# Altium PCB PFC_Interleaved_V8.1.PcbDoc (part 2 of 3)
Units mm, origin at the board's own origin, x right, y up, seen from the top; angles counter-clockwise.
Board outline 258.26 x 148.72 mm, 4 copper layers (Top Layer, Signal Layer 1, Signal Layer 2, Bottom Layer), stack 0.809 mm thick; 261 components, 132 nets, 672 pads, 435 vias.
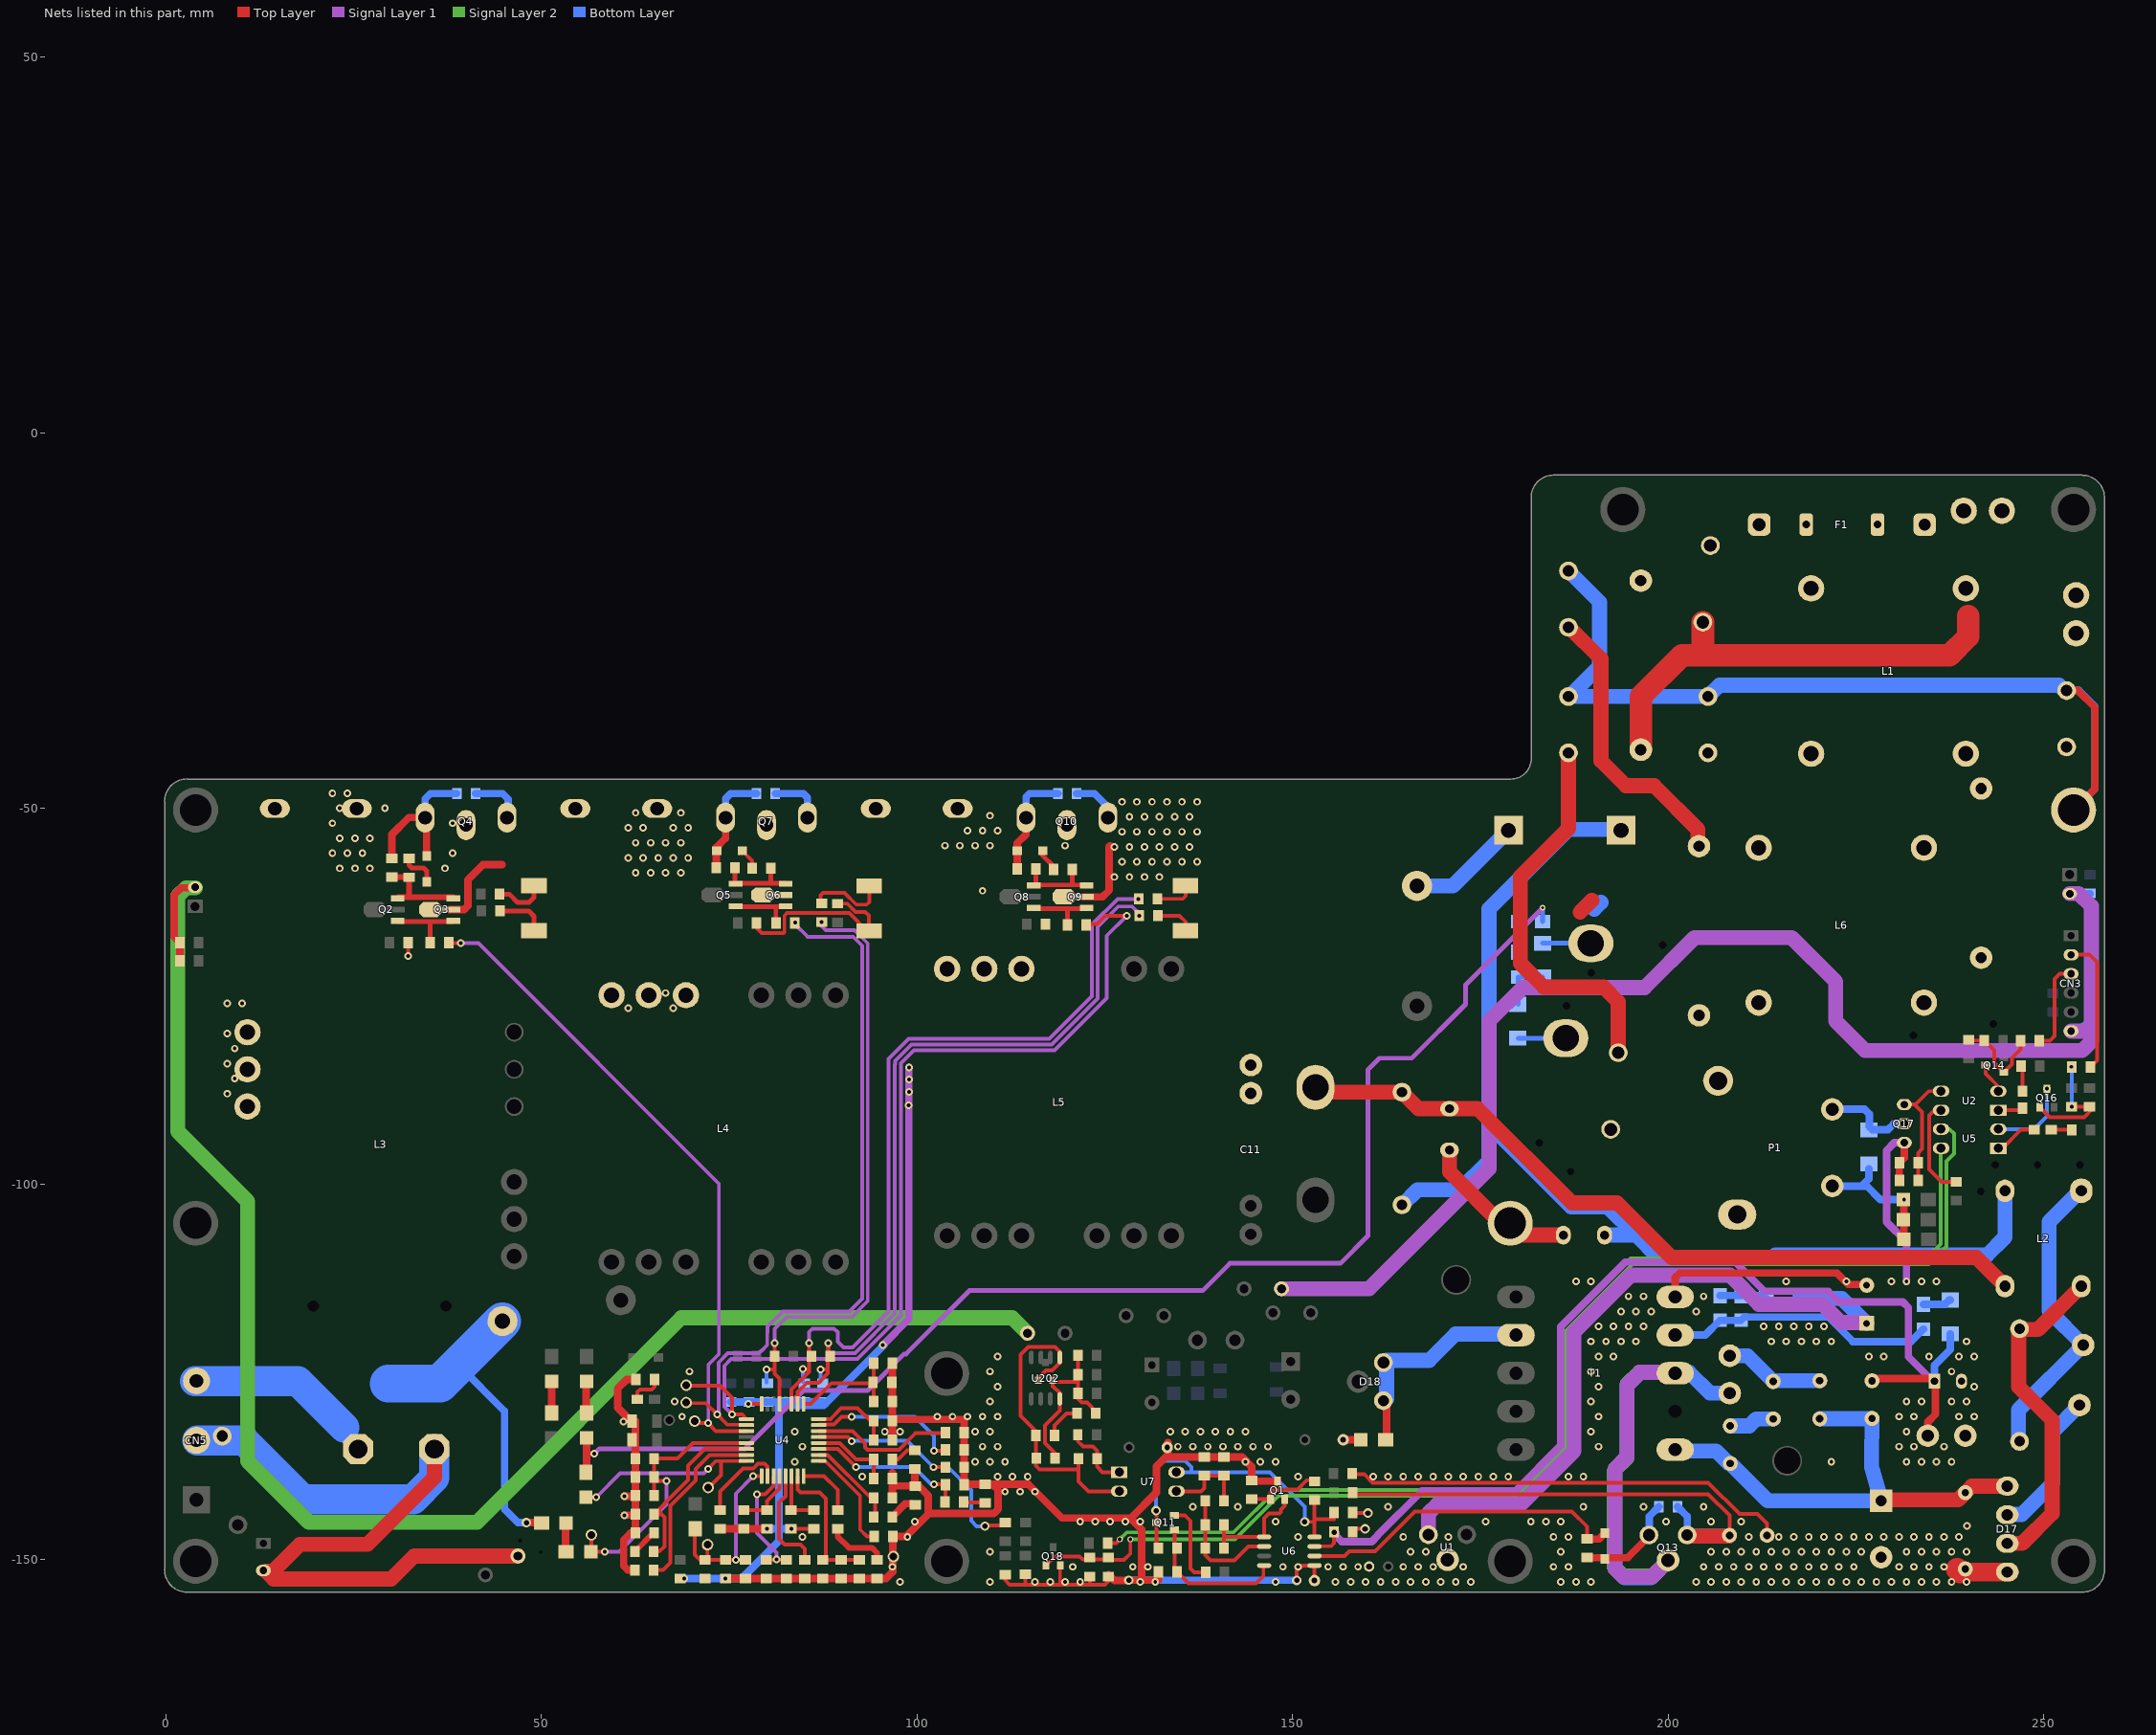
[diagram p4: the nets of this part, all layers, seen from the top]

## Via types
v1: diameter 1, hole 0.5, Top Layer to Bottom Layer, tented both sides, 348 vias
v2: diameter 1.016, hole 0.508, Top Layer to Bottom Layer, tented both sides, 58 vias
v3: diameter 1, hole 0.5, Top Layer to Bottom Layer, 12 vias
v4: diameter 1.27, hole 0.711, Top Layer to Bottom Layer, tented both sides, 10 vias
v5: diameter 0.8, hole 0.5, Top Layer to Bottom Layer, 2 vias
v6: diameter 1.27, hole 0.711, Top Layer to Bottom Layer, 2 vias
v7: diameter 0.762, hole 0.406, Top Layer to Bottom Layer, 1 vias
v8: diameter 2, hole 1, Top Layer to Bottom Layer, 1 vias
v9: diameter 1.2, hole 0.7, Top Layer to Bottom Layer, 1 vias

## Nets (pads, with @x,y where several pads share a name; then routed paths per layer and width w, separated by ;. In a path a pad name is that pad's centre, name@x,y a point inside that pad or via, vN(x,y) a via of type N, cw(c..) or ccw(c..) an arc to the next point about the centre after c; other vN are vias at no path point) (continued)
CS2_P: C21.2 C57.1 R28.1 U4.21 | length 82.2
  Top Layer w0.5: v2(79.965,-124.643) 81.032,-124.643 ; v2(81.082,-121.158) 81.082,-125.253 81.713,-125.883 U4.21@81.713,-129.249
  Signal Layer 1 w0.5: v2(81.082,-121.158) 81.082,-119.273 82.66,-117.696 91.321,-117.696 93.446,-115.57 93.446,-67.951 91.688,-66.192 87.859,-66.192 87.325,-65.659 v2(87.325,-65.126)
  Bottom Layer w0.5: C57.1@79.965,-126.391 v2(79.965,-124.643)
CS3_N: C6.1 C60.1 R39.1 U4.18 | length 106.3
  Top Layer w0.508: U4.18@84.113,-129.249 84.113,-127.672 85.357,-126.428 86.907,-126.428 88.151,-125.184 C6.1@88.151,-122.9 ; v2(87.204,-124.643) 88.094,-124.643 ; C6.1@88.189,-122.862 v2(88.189,-121.158)
  Signal Layer 1 w0.508: v2(88.189,-121.158) 88.189,-122.225 88.468,-122.504 91.74,-122.504 97.079,-117.165 97.079,-84.074 97.108,-84.045 97.108,-83.608 99.305,-81.411 117.954,-81.411 124.079,-75.286 124.079,-65.735 126.771,-63.043 128.651,-63.043 129.591,-63.983 v2(129.591,-64.262)
  Bottom Layer w0.508: C60.1@87.204,-126.269 v2(87.204,-124.643)
CS3_P: C6.2 C59.1 R38.1 U4.19 | length 109
  Top Layer w0.508: U4.19@83.313,-129.249 83.313,-127.329 85.662,-124.981 85.662,-124.643 ; v2@84.791,-124.643 85.662,-124.643 ; v2(85.662,-121.158) 85.662,-124.643
  Signal Layer 1 w0.508: v2(85.662,-121.158) 85.662,-119.672 86.106,-119.228 88.976,-119.228 89.471,-119.723 89.471,-120.968 90.246,-121.742 91.424,-121.742 96.215,-116.951 96.215,-83.337 98.904,-80.649 117.638,-80.649 123.317,-74.97 123.317,-65.42 126.71,-62.027 v2(129.489,-62.027)
  Bottom Layer w0.508: C59.1@84.791,-126.31 v2(84.791,-124.593) ; v2(129.489,-62.027) v2@129.54,-62.027
CVM1: R9.1 R65.2 U4.13 | length 33.3
  Top Layer w0.508: U4.13@86.928,-133.664 90.789,-133.664 v2(91.338,-134.214) ; v2(102.182,-137.695) R65.2@103.784,-137.693 ; v9(109.042,-145.542) 109.128,-145.456 R9.1@111.252,-145.456
  Bottom Layer w0.508: v2(91.338,-134.214) 91.364,-134.188 98.676,-134.188 v2(102.182,-137.695) 104.167,-137.695 107.213,-140.741 107.213,-144.805 107.95,-145.542 v9(109.042,-145.542)
CVM2: R66.2 U4.14 | length 19.1
  Top Layer w0.508: U4.14@86.928,-132.864 91.462,-132.864 93.116,-134.518 93.116,-135.036 93.432,-135.352 97.617,-135.352 99.797,-133.172 R66.2@103.81,-133.172
CVM3: R67.2 U4.15 | length 20.8
  Top Layer w0.5: U4.15@86.928,-132.064 86.97,-132.022 88.958,-132.022 89.992,-130.988 v2@91.034,-130.988 ; v2(102.26,-135.509) 103.657,-135.509 R67.2@103.784,-135.382 ; R67.2@103.468,-135.433 R67.2@103.784,-135.116
  Bottom Layer w0.5: v2@91.034,-130.988 99.72,-130.988 102.26,-133.528 v2(102.26,-135.509)
  other v2: 91.338,-130.988
"DC LINK": C13.1 C14.2 C26.2 D17.1 R1.1 R77.1 T1.1 | length 66.3
  Top Layer w2: C13.1@227.99,-142.037 238.608,-142.037 240.436,-140.208 D17.1@245.161,-140.208
  Bottom Layer w2: T1.1@200.939,-135.331 201.131,-135.523 206.401,-135.523 208.064,-137.185 R1.1@208.28,-137.185 213.258,-142.164 C13.1@228.371,-142.164 228.231,-141.664 227.07,-137.538 227.07,-137.249 227.078,-136.661 R77.1@227.152,-131.191 227.101,-131.242 C26.2@220.193,-131.242
Earth: C3.1 C4.1 C78.1 C79.1 pad.0@253.978,-50.203 | length 126.5
  Top Layer w1: C4.1@253.06,-34.299 254.574,-34.299 256.825,-36.551 256.825,-47.355 pad.0@253.978,-50.203
  Bottom Layer w1: C4.1@253.06,-34.299 254.695,-34.299 256.825,-36.43 256.825,-47.355 pad.0@253.978,-50.203
  Bottom Layer w2: C79.1@186.741,-35.087 C79.1@186.859,-35.087 ; C78.1@186.741,-18.373 190.881,-22.514 190.881,-31.064 C79.1@186.859,-35.087 ; C4.1@253.06,-34.299 252.765,-34.299 252.044,-33.579 206.816,-33.579 C3.1@205.308,-35.087 C79.1@186.859,-35.087
EARTH2: C19.1 C77.2 pad.@178.978,-105.203 | length 21.6
  Top Layer w2: C77.2@170.891,-95.46 170.891,-98.374 177.72,-105.203 pad.@178.978,-105.203 180.556,-106.782 C19.1@186.048,-106.782
GATE: D22.2 R50.2 U6.6 | length 43.9
  Top Layer w0.5: U6.6@152.931,-149.504 156.947,-149.504 157.556,-148.895 160.985,-148.895 166.294,-143.586 187.198,-143.586 189.205,-145.593 R50.2@189.205,-147.244
  Top Layer w1: R50.2@189.205,-147.244 190.805,-147.244 D22.2@191.567,-146.482
HV: C12.1 CN5.5 D4.2 D6.1 D8.1 D10.1 R10.2 R89.2 | length 67.6
  Top Layer w1: v6(48.006,-145.059) R10.2@49.149,-145.059
  Bottom Layer w1: 38.97,-124.086 45.11,-130.226 45.11,-143.281 46.888,-145.059 v6(48.006,-145.059)
  Bottom Layer w4: CN5.5@3.886,-126.233 17.572,-126.233 23.749,-132.41
  Bottom Layer w5: 29.642,-126.543 36.513,-126.543 D4.2@44.827,-118.229
IAC: R8.1 TP7.1 U4.32 | length 27.6
  Top Layer w0.5: v2(72.187,-137.897) 73.22,-136.864 73.914,-136.864 ; TP7.1@72.25,-140.424 73.914,-138.76 73.914,-136.864 ; U4.32@77.298,-136.864 73.914,-136.864
  Top Layer w0.635: R8.1@55.982,-141.656 v2(57.328,-141.656)
  Signal Layer 1 w0.5: v2(57.328,-141.656) 60.508,-138.476 71.607,-138.476 v2(72.187,-137.897)
IAC_A: D12.2 D14.2 R56A.1 | length 6.9
  Bottom Layer w0.635: D12.2@180.035,-76.069 180.035,-72.445 D14.2@183.286,-72.445
IEA1: C45.2 C46.2 U4.10 | length 12.5
  Top Layer w0.508: U4.10@86.928,-136.064 88.134,-136.064 93.639,-141.569 94.463,-141.569 C45.2@94.463,-144.249
IEA2: C47.2 C48.2 U4.11 | length 21
  Top Layer w0.508: U4.11@86.928,-135.264 89.457,-135.264 91.861,-137.668 v2(91.897,-137.668) ; v2(102.26,-139.979) 103.49,-139.979 103.784,-140.274 C47.2@103.784,-142.316
  Bottom Layer w0.508: v2(91.897,-137.668) 99.568,-137.668 101.879,-139.979 v2(102.26,-139.979)
IEA3: C49.2 C50.2 U4.12 | length 10
  Top Layer w0.508: U4.12@86.928,-134.464 89.734,-134.464 91.909,-136.638 C49.2@94.259,-136.638 94.259,-138.414
LINE: C5.2 C79.2 L6.2 NTC1.1 P1.2 | length 52.6
  Top Layer w2: C79.2@186.741,-42.587 186.741,-52.654 180.34,-59.055 180.34,-70.637 183.487,-73.784 191.4,-73.784 193.362,-75.746 NTC1.1@193.362,-82.505
LINE1: CN7.1 D12.1 NTC1.2 P1.3 | length 6.5
  Top Layer w2: CN7.1@186.629,-80.584 CN7.1@186.741,-80.696
  Bottom Layer w0.635: D12.1@180.035,-80.569 CN7.1@186.385,-80.569
NetC1_1: C1.1 CN2.1 L1.1 MOV1.2 | length 60.3
  Top Layer w3: C1.1@196.367,-42.172 196.367,-35.092 201.843,-29.616 237.439,-29.616 239.941,-27.114 239.941,-24.375 ; 204.63,-28.842 MOV1.2@204.63,-25.191
NetC1_2: C1.2 F1.2 L1.3 MOV1.1
NetC2_1: C2.1 C4.2 L1.2 L6.3
NetC2_2: C2.2 C3.2 L1.4 L6.1
NetC10_2: C10.2 Q17.3 R48.2 U2.3 | length 16.4
  Top Layer w0.5: Q17.3@231.445,-89.408 232.945,-89.408 234.723,-87.63 U2.3@236.347,-87.63 ; 232.788,-89.408 233.807,-90.427 233.807,-95.326 233.274,-95.86 R48.2@233.274,-97.155 C10.2@233.274,-99.517
NetC17_2: C17.2 C53.2 CN6.2 J1.2 | length 213.6
  Top Layer w1: C53.2@1.88,-70.282 1.905,-70.256 C17.2@1.905,-67.843 1.105,-67.043 1.105,-61.519 2.07,-60.554 CN6.2@3.937,-60.554
  Signal Layer 2 w2: CN6.2@3.937,-60.554 2.702,-60.554 1.605,-61.651 1.605,-92.994 10.897,-102.286 10.897,-136.868 19.037,-145.009 41.427,-145.009 68.637,-117.799 112.682,-117.799 J1.2@114.721,-119.837
  Bottom Layer w1: CN6.2@3.861,-60.63 CN6.2@3.937,-60.554
NetC19_2: C19.2 C75.2 F3.2 L2.1 | length 157
  Bottom Layer w2: C75.2@164.567,-102.757 164.64,-102.757 166.635,-100.762 172.288,-100.762 176.149,-96.901 176.149,-92.076 ; C19.2@191.548,-106.782 195.707,-106.782 ; F3.2@193.751,-52.807 186.69,-52.807 176.149,-63.348 176.149,-92.076 ; L2.1@244.85,-100.888 244.85,-107.067 242.469,-109.448 214.283,-109.448 214.003,-109.728 198.653,-109.728 195.707,-106.782 ; 176.149,-92.076 187.105,-103.032 191.957,-103.032 195.707,-106.782
NetC23_1: C23.1 Q18.1 R93.1 U5.3 | length 165.5
  Top Layer w0.5: Q18.1@117.16,-150.759 118.364,-149.555 121.634,-149.555 122.056,-149.978 125.501,-149.978 125.562,-150.038 127.584,-150.038 128.422,-149.2 v5(128.422,-147.269)
  Signal Layer 2 w0.5: v5(128.422,-147.269) 142.316,-147.269 148.12,-141.465 179.975,-141.465 186.346,-135.093 186.346,-119.599 195.293,-110.653 234.685,-110.653 237.05,-108.288 237.05,-96.96 238.074,-95.936 238.074,-93.294 237.465,-92.685 U5.3@236.347,-92.685
NetC24_1: C24.1 Q14.1 R43.2 R49.1 | length 12.6
  Top Layer w0.5: C24.1@240.005,-80.797 240.081,-80.874 R49.1@242.113,-80.874 243.408,-82.169 243.408,-83.827 Q14.1@244.707,-85.126 245.796,-84.037 245.796,-83.21 246.939,-82.067 R43.2@246.939,-80.899
NetC26_1: C26.1 D20.2 R4.1 | length 13.4
  Bottom Layer w2: D20.2@208.204,-122.838 210.57,-122.838 R4.1@213.995,-126.263 214.097,-126.162 C26.1@220.193,-126.162
NetC27_2: C27.2 R16.1 | length 2.2
  Top Layer w1: C27.2@156.743,-134.036 R16.1@158.953,-134.036
NetC28_2: C28.2 Q1.1 R2.1 | length 9.2
  Top Layer w0.5: C28.2@145.288,-141.91 145.32,-141.941 147.041,-141.941 147.041,-141.046 147.441,-140.645 150.667,-140.645 151.892,-139.421 R2.1@152.931,-139.421
NetC29_1: C29.1 R36.2 R37.1 U6.2 | length 16.1
  Top Layer w0.5: R37.1@138.367,-142.164 R36.2@138.367,-145.364 C29.1@138.367,-148.463 138.367,-149.365 139.09,-150.089 142.291,-150.089 144.145,-148.234 U6.2@146.231,-148.234
NetC29_2: C29.2 Q1.2 R36.1 U6.1 | length 15.5
  Top Layer w0.5: C29.2@140.856,-148.463 140.856,-146.99 ; R36.1@140.856,-145.364 140.856,-146.99 ; Q1.2@148.981,-141.941 148.981,-142.822 148.446,-143.358 148.446,-143.654 148.234,-143.866 146.837,-143.866 146.231,-144.472 U6.1@146.231,-146.964 140.881,-146.964 140.856,-146.99
NetC36_2: C36.2 R53.1 | length 3.6
  Top Layer w0.762: R53.1@62.484,-148.905 62.484,-148.868 64.927,-146.425 C36.2@65.024,-146.425
NetC37_2: C37.2 U4.31 | length 24.1
  Top Layer w0.508: C37.2@64.922,-151.384 66.218,-151.384 67.183,-150.419 67.183,-142.824 70.561,-139.446 70.561,-137.897 72.394,-136.064 U4.31@77.298,-136.064
NetC44_2: C44.2 U4.9 | length 14.1
  Top Layer w0.5: U4.9@86.928,-136.864 87.816,-136.864 92.431,-141.478 92.431,-145.974 93.345,-146.888 C44.2@94.285,-146.888
NetC45_1: C45.1 R62.2 | length 3.7
  Top Layer w1: C45.1@96.749,-144.249 98.453,-142.545 99.314,-142.545 R62.2@99.619,-142.85
NetC47_1: C47.1 R63.2 | length 2.6
  Top Layer w0.508: C47.1@106.379,-142.367 R63.2@109.017,-142.367
NetC49_1: C49.1 R64.2 | length 3.5
  Top Layer w0.5: C49.1@96.749,-136.638 97.518,-136.638 98.723,-135.433 R64.2@99.72,-135.433
NetC51_1: C51.1 Q16.1 R91.2 R92.1 | length 16
  Top Layer w0.5: Q16.1@249.494,-89.767 250.811,-91.084 255.422,-91.084 256.388,-90.119 255.956,-89.687 v3(253.721,-89.687)
  Bottom Layer w0.5: v3(253.67,-84.379) 253.721,-84.43 v3(253.721,-89.687)
NetC62_2: C62.2 R73.1 U4.6 | length 7.4
  Top Layer w0.508: U4.6@83.313,-138.879 83.313,-143.306 83.415,-143.408 C62.2@86.284,-143.408
NetC63_2: C63.2 R69.2 R69A.2 U4.17 | length 15.6
  Top Layer w0.508: U4.17@84.913,-129.249 85.864,-129.249 88.607,-126.505 R69A.2@94.259,-126.505 ; R69.2@94.259,-128.95 R69A.2@94.259,-126.505 ; C63.2@94.259,-123.825 R69A.2@94.259,-126.505
NetC64_2: C64.2 R58.1 U4.4 | length 8.3
  Top Layer w0.508: R58.1@76.962,-143.408 C64.2@80.035,-143.408 80.035,-142.215 81.713,-140.537 U4.4@81.713,-138.879
NetC67_2: C67.2 Q11.1 R46.2 U6.4 | length 19.7
  Top Layer w0.5: Q11.1@134.296,-145.984 134.296,-151.289 C67.2@134.62,-151.613 136.144,-153.137 145.161,-153.137 146.126,-152.171 146.126,-150.879 U6.4@146.231,-150.774
NetC68A_1: C68A.1 D215.2 U1.1 | length 96.4
  Signal Layer 1 w2: U1.1@168.097,-146.66 168.097,-143.815 169.291,-142.621 180.391,-142.621 187.477,-135.534 187.477,-119.71 195.057,-112.13 208.218,-112.13 212.09,-116.002 220.574,-116.002 223.012,-118.44 C68A.1@226.4,-118.44
  Bottom Layer w2: D215.2@217.591,-115.214 223.114,-115.214 C68A.1@226.441,-118.542
NetC70_1: C70.1 R85.2 R87.1 U7.2 U202.1 | length 42.4
  Top Layer w0.5: U202.1@116.185,-126.111 116.185,-125.801 117.17,-124.816 118.008,-124.816 119.024,-123.8 U202.1@119.024,-123.079 119.024,-122.326 118.364,-121.666 114.833,-121.666 113.792,-122.707 113.792,-130.861 115.824,-132.893 115.824,-137.49 116.319,-137.986 121.514,-137.986 ; R85.2@121.488,-136.119 121.514,-136.144 121.514,-137.986 ; U7.2@126.937,-140.894 122.86,-140.894 122.834,-140.919 121.514,-139.598 121.514,-137.986
NetC70_2: C70.2 C72.2 R76.2 R84.1 R88.2 U202.8 | length 24.4
  Top Layer w0.5: C70.2@118.364,-136.068 118.364,-135.814 117.043,-134.493 117.043,-132.105 119.024,-130.124 U202.8@119.024,-128.727 ; U202.8@119.024,-128.587 U202.8@119.024,-128.727 ; 121.437,-126.314 118.288,-126.314 U202.8@118.085,-126.111 118.085,-126.898 118.999,-127.813 118.999,-128.727 U202.8@119.024,-128.727 ; R84.1@121.437,-122.784 R76.2@121.437,-125.374 121.437,-128.575 121.945,-129.083 122.631,-129.083 123.825,-130.277 C72.2@123.825,-130.505
NetC72_1: C72.1 R87.2 | length 4.7
  Top Layer w0.5: R87.2@118.313,-133.096 118.313,-132.105 119.913,-130.505 C72.1@121.336,-130.505
NetC73_2: C73.2 C74.2 CN3.6 CN4.2 J2.2 | length 178.8
  Signal Layer 1 w2: J2.2@148.55,-113.919 160.198,-113.919 176.174,-97.942 176.174,-78.308 180.645,-73.838 196.85,-73.838 203.505,-67.183 216.459,-67.183 222.301,-73.025 222.301,-78.283 226.238,-82.22 255.132,-82.22 256.351,-81.001 256.351,-79.604 ; CN4.2@253.467,-61.341 254.674,-61.341 256.351,-63.017 256.351,-79.604 ; CN3.6@253.644,-79.629 256.325,-79.629 256.351,-79.604
  Bottom Layer w1: CN4.2@253.467,-61.341 253.492,-61.316 C73.2@256.159,-61.316 ; CN3.6@253.644,-79.629 254.711,-79.629 C74.2@256.337,-78.003
NetC76_1: C76.1 D17.3 L2.4 | length 44.7
  Top Layer w2: D17.3@245.161,-147.828 247.142,-147.828 251.121,-143.849 251.121,-131.437 246.685,-127.001 246.685,-119.355 246.691,-119.349 247.236,-119.349 247.242,-119.355 249.243,-119.355 L2.4@255.01,-113.588
NetC76_2: C76.2 L2.2 NTC2.1 | length 40
  Bottom Layer w2: C76.2@246.634,-133.618 246.634,-130.057 NTC2.1@255.266,-121.425 250.723,-116.883 250.723,-105.029 L2.2@254.937,-100.815
NetCN1_1: CN1.1 F1.1
NetD2_1: D2.1 P1.4 Q17.2 | length 12
  Bottom Layer w1.016: P1.4@221.864,-90.048 226.167,-90.048 226.797,-90.678 226.797,-92.38 227.152,-92.735 229.286,-92.735 230.073,-91.948 Q17.2@231.445,-91.948
NetD2_2: D2.2 P1.5 R3.1 R3A.1 R3B.1 | length 18.3
  Top Layer w1.016: R3B.1@231.369,-107.374 231.369,-102.133 v3(231.419,-102.083)
  Bottom Layer w1.016: P1.5@221.864,-100.248 225.786,-100.248 ; D2.2@226.746,-98.008 226.746,-99.289 225.786,-100.248 ; v3(231.419,-102.083) 228.28,-102.083 226.445,-100.248 225.786,-100.248
NetD3_2: D3.2 F3.1 | length 15.2
  Bottom Layer w2: D3.2@166.573,-60.301 171.359,-60.301 F3.1@178.751,-52.908
NetD6_3: D6.3 L3.1 Q4.2
  other v1: 8.181,-87.956 9.181,-85.956 8.181,-83.956 9.181,-81.956 8.181,-79.956 8.181,-75.956 10.181,-75.956 23.181,-57.956 25.181,-57.956 27.181,-57.956 37.181,-57.956 22.181,-55.956 24.181,-55.956 26.181,-55.956 38.181,-55.956 23.181,-53.956 25.181,-53.956 27.181,-53.956 22.181,-51.956 38.181,-51.956 23.181,-49.956 29.181,-49.956 22.181,-47.956 24.181,-47.956
NetD8_3: D8.3 L4.1 Q7.2
  other v1: 61.557,-76.566 67.557,-76.566 66.557,-74.566 62.557,-58.566 64.557,-58.566 66.557,-58.566 68.557,-58.566 61.557,-56.566 63.557,-56.566 65.557,-56.566 67.557,-56.566 69.557,-56.566 62.557,-54.566 64.557,-54.566 66.557,-54.566 68.557,-54.566 61.557,-52.566 63.557,-52.566 67.557,-52.566 69.557,-52.566 62.557,-50.566 68.557,-50.566
NetD9_1: D9.1 Q4.1 R12.1 R14.2 | length 20.7
  Top Layer w1: R12.1@30.099,-56.642 30.099,-53.467 32.363,-51.203 Q4.1@34.525,-51.203 34.722,-51.401 D9.1@34.722,-56.337
  Bottom Layer w1: Q4.1@34.525,-51.203 34.525,-48.723 35.242,-48.006 R14.2@38.735,-48.006
NetD9_2: D9.2 R13.2 | length 5
  Top Layer w0.635: R13.2@32.385,-56.667 32.385,-57.531 32.741,-57.887 34.315,-57.887 34.722,-58.293 D9.2@34.722,-59.766
NetD10_3: D10.3 L5.1 Q10.2
  other v1: 108.733,-60.948 103.733,-54.948 105.733,-54.948 107.733,-54.948 109.733,-54.948 119.733,-54.948 106.733,-52.948 108.733,-52.948 110.733,-52.948 109.733,-50.948
NetD13_1: D13.1 Q7.1 R22.1 R24.2 | length 14.1
  Top Layer w1: R22.1@73.28,-57.887 73.28,-55.193 74.525,-53.949 Q7.1@74.525,-51.203
  Bottom Layer w1: Q7.1@74.525,-51.203 74.525,-48.691 75.209,-48.006 R24.2@78.664,-48.006
NetD13_2: D13.2 R23.2 | length 2.8
  Top Layer w0.5: D13.2@76.759,-55.651 78.054,-56.947 R23.2@78.054,-57.937
NetD15_2: D15.2 R72.2 | length 4.5
  Top Layer w0.5: D15.2@62.789,-128.651 62.789,-127.686 63.144,-127.33 64.719,-127.33 65.049,-127 R72.2@65.049,-126.009
NetD16_1: D16.1 Q10.1 R32.1 R34.2 | length 14.5
  Top Layer w1: R32.1@113.335,-58.039 113.335,-54.635 114.525,-53.446 Q10.1@114.525,-51.203
  Bottom Layer w1: Q10.1@114.525,-51.203 114.525,-48.467 114.986,-48.006 R34.2@118.77,-48.006
NetD16_2: D16.2 R33.2 | length 3
  Top Layer w0.635: D16.2@116.713,-55.626 116.713,-56.236 118.212,-57.734 R33.2@118.212,-57.963
NetD17_2: D17.2 NTC2.2 | length 19.7
  Bottom Layer w2: D17.2@245.161,-144.018 245.221,-143.958 247.075,-143.958 251.181,-139.852 251.181,-133.011 NTC2.2@254.766,-129.425
NetD18_1: D18.1 D18.3 R16.2 T1.7 | length 29.3
  Top Layer w1: R16.2@162.255,-134.036 162.535,-133.756 D18.3@162.535,-128.549
  Bottom Layer w2: D18.3@162.535,-128.549 162.535,-123.469 168.199,-123.469 171.704,-119.964 T1.7@179.73,-119.964
NetD20_1: D20.1 Q13.2 T1.3 | length 131.6
  Signal Layer 1 w2: Q13.2@199.923,-150.216 197.841,-152.298 194.056,-152.298 192.938,-151.181 192.938,-137.922 194.55,-136.31 194.55,-126.709 196.215,-125.044 200.05,-125.044 T1.3@201.73,-125.044
  Signal Layer 2 w2: Q13.2@199.923,-150.216 197.942,-152.197 194.031,-152.197 192.913,-151.079 192.913,-138.049 194.55,-136.412 194.55,-126.683 196.19,-125.044 200.05,-125.044 T1.3@201.73,-125.044
  Bottom Layer w2: Q13.2@199.923,-150.216 197.739,-152.4 194.21,-152.4 192.862,-151.052 192.862,-138.074 194.55,-136.386 194.55,-126.81 196.317,-125.044 200.05,-125.044 201.73,-125.044 202.787,-125.044 205.581,-127.838 D20.1@208.204,-127.838
NetD21_1: D21.1 R47.2 | length 3.8
  Bottom Layer w1: R47.2@234.003,-115.993 236.852,-115.993 237.416,-115.428 D21.1@237.566,-115.428
NetD22_1: D22.1 Q13.1 R50.1 R79.1 | length 14.3
  Top Layer w0.5: R50.1@189.205,-149.733 R50.1@189.509,-150.038
  Top Layer w1: R50.1@189.205,-149.733 194.615,-149.733 Q13.1@197.485,-146.863
  Bottom Layer w1: Q13.1@197.485,-146.863 197.485,-144.247 R79.1@198.78,-142.951